# KiCad board OSO-BOOK-B1.kicad_pcb
title: Open Book Abridged Edition; date: 2022-11-08; rev: 05; company: Oddly Specific Objects
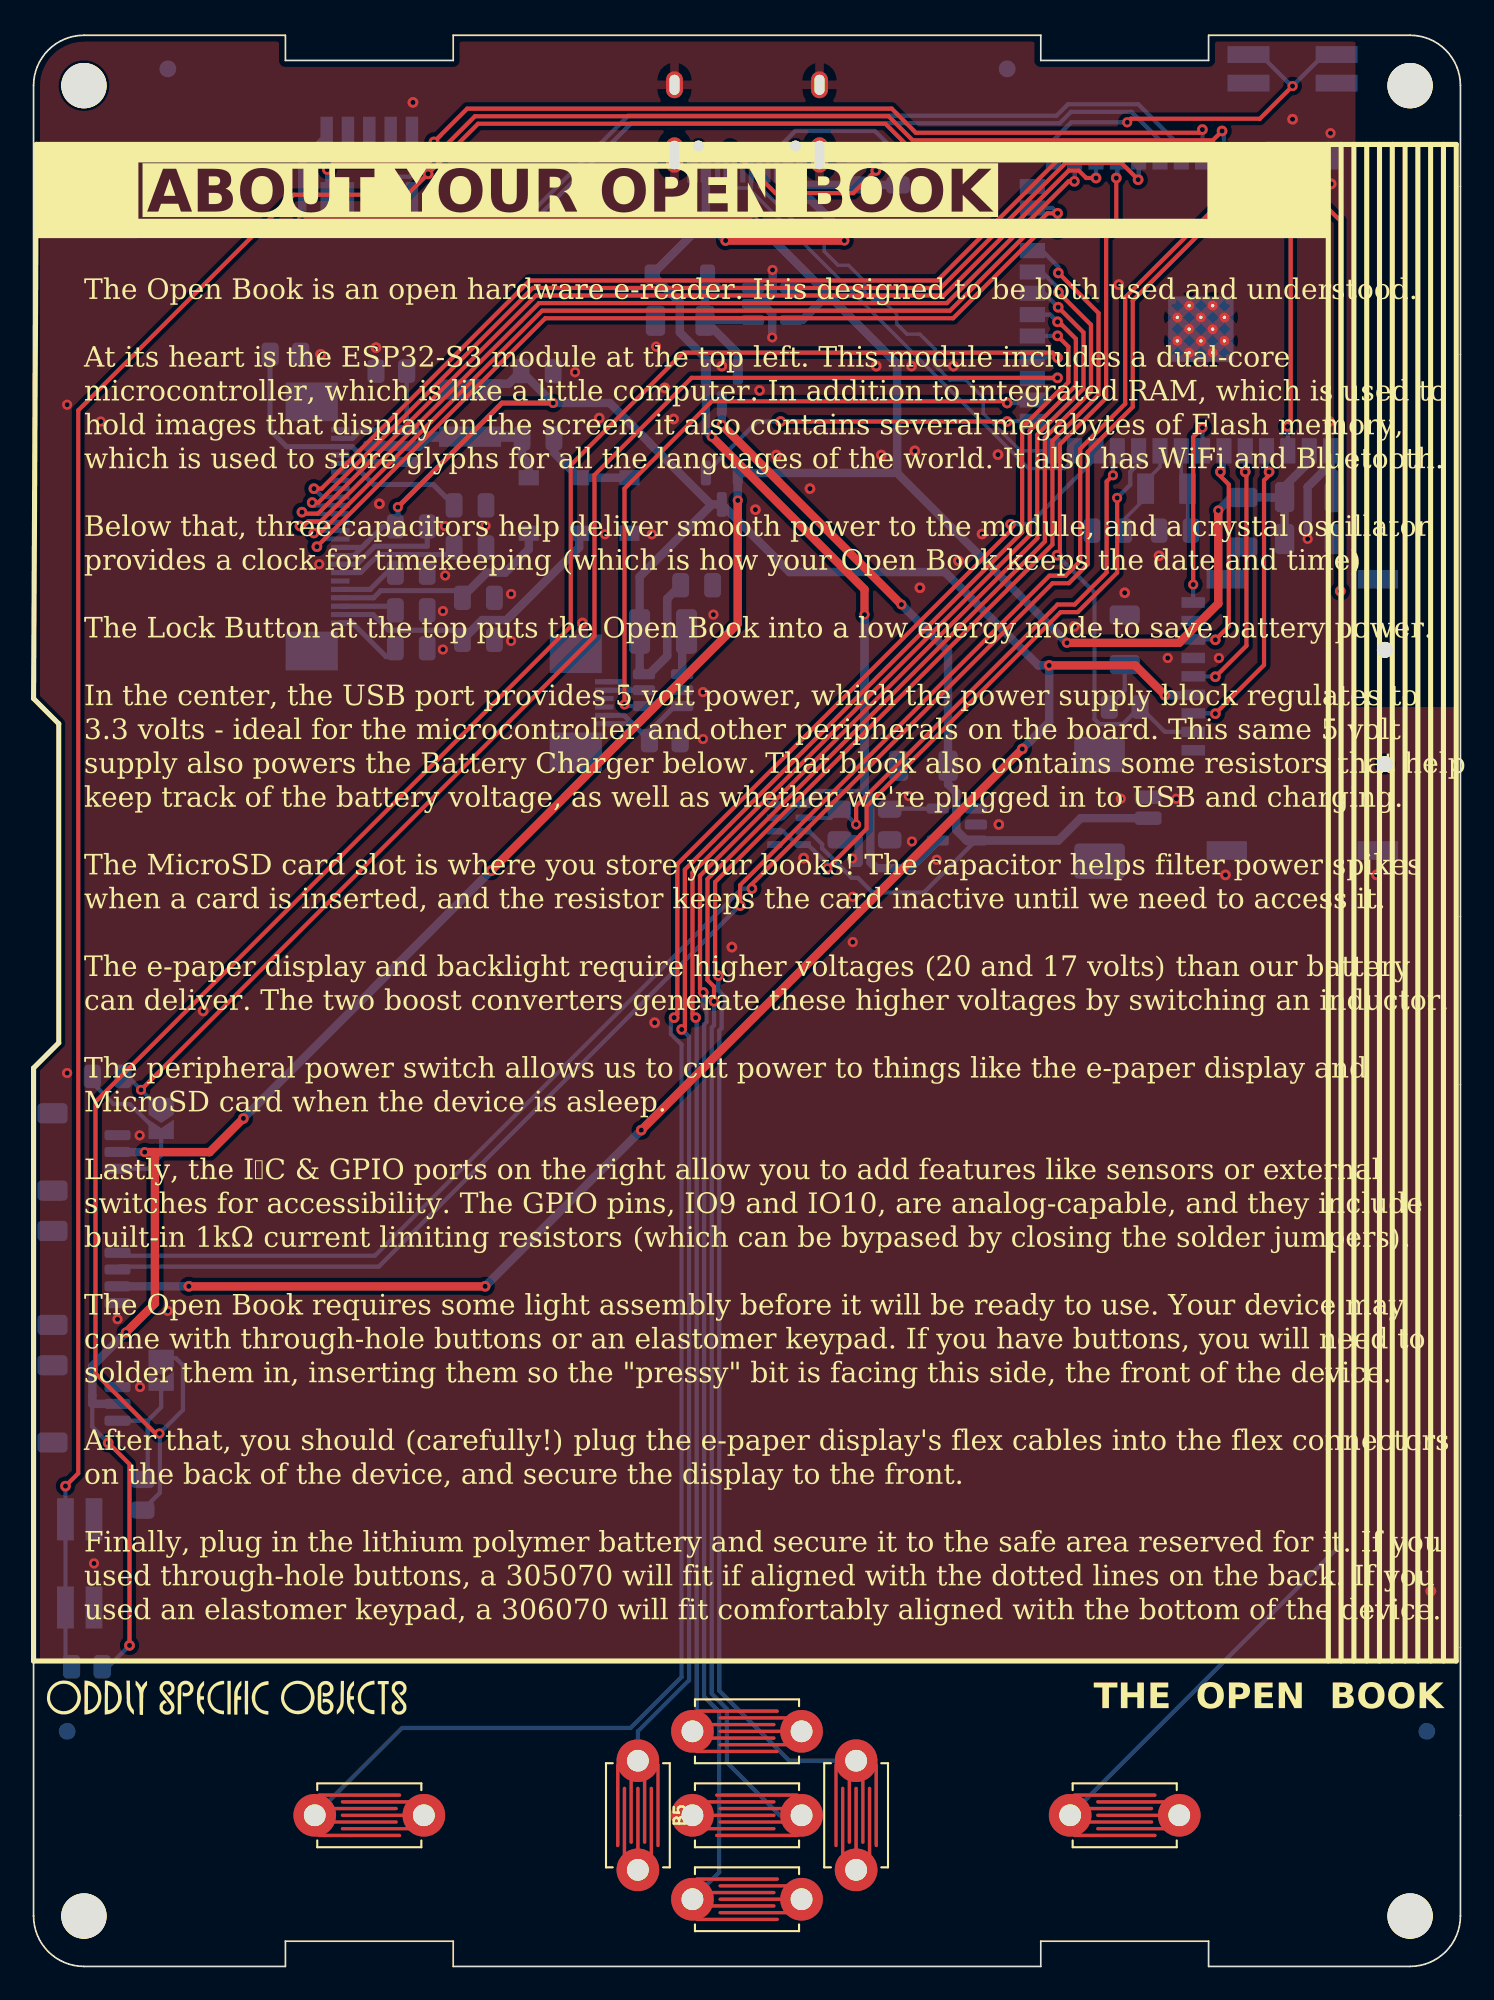
[diagram p0: board, top side]
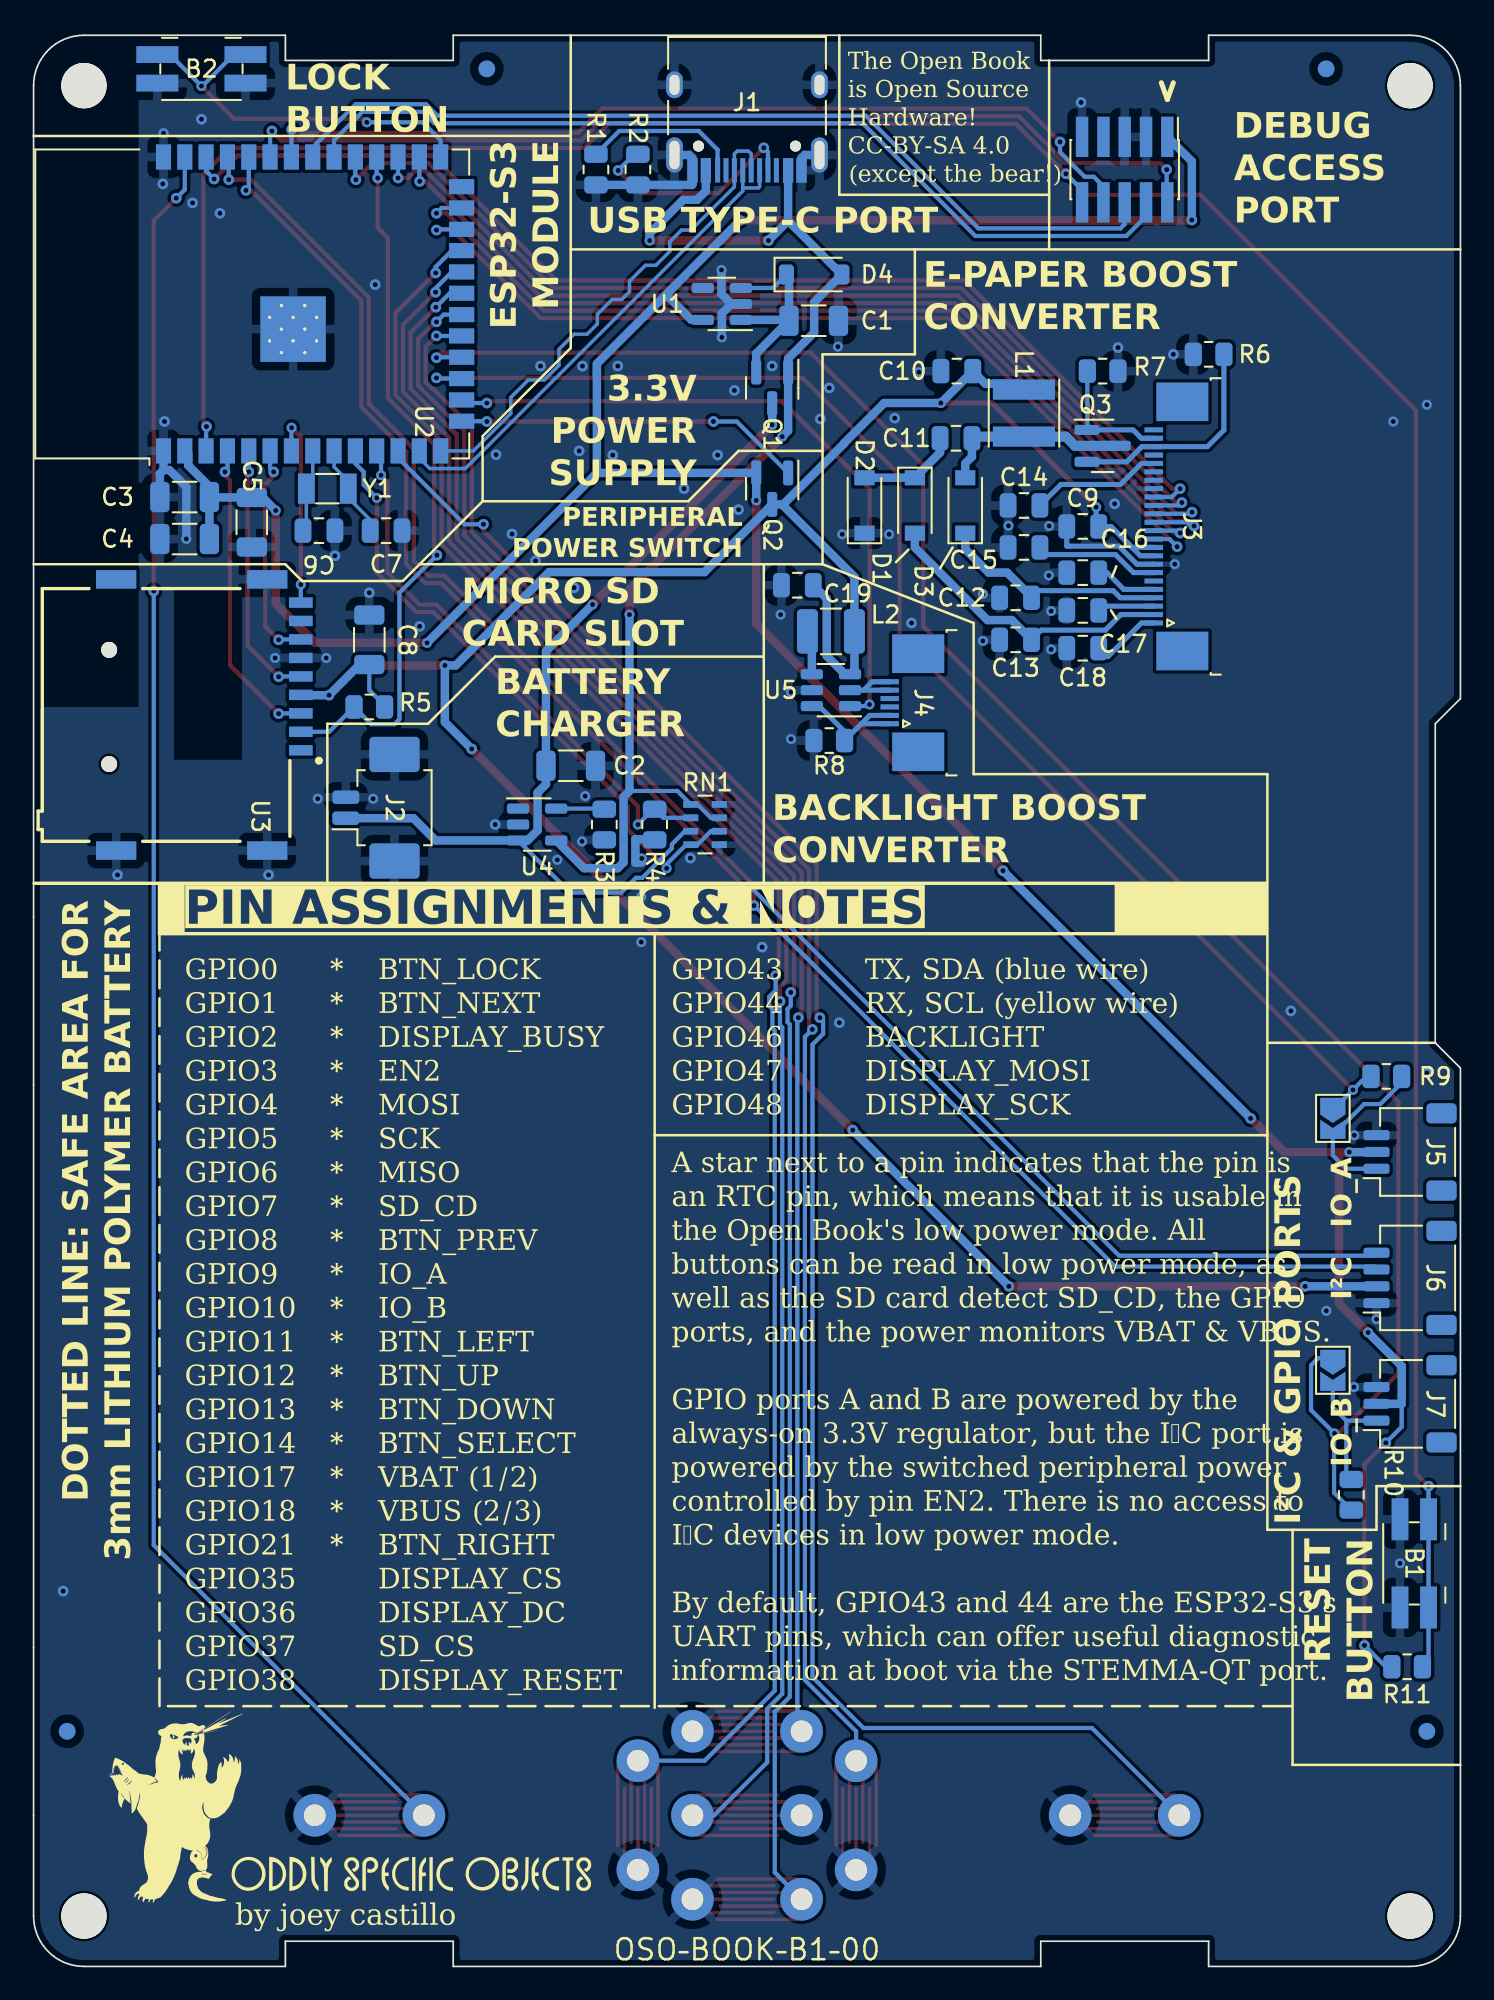
[diagram p1: board, bottom side, seen from below]

Outline 85 x 115 mm; copper layers: Top, Bottom. Coordinates in mm from the lower left corner of the outline.
Outline path: 0,112 arc(0.88,114.12) 3,115 15,115 15,113.5 25,113.5 25,115 60,115 60,113.5 70,113.5 70,115 82,115 arc(84.12,114.12) 85,112 85,3 arc(84.12,0.88) 82,0 70,0 70,1.5 60,1.5 60,0 25,0 25,1.5 15,1.5 15,0 3,0 arc(0.88,0.88) 0,3 0,53.5 1.5,55 1.5,74 0,75.5 0,112
Stack: Top 0.035mm / dielectric 0.91mm FR4 er 4.5 / Bottom 0.035mm

## Placement (name value [footprint] x y rotation side)
B1  SW_Push  [Panasonic_EVQPUJ_EVQPUA]  2.75 24 270 bottom
B2  SW_Push  [Panasonic_EVQPUJ_EVQPUA]  75 113 180 bottom
B3  SW_Push  [TACT_PANA-EVQ-BUTTONPAD]  20 9 0 top
B4  SW_Push  [TACT_PANA-EVQ-BUTTONPAD]  65 9 0 top
B5  SW_Push  [TACT_PANA-EVQ-BUTTONPAD]  36 9 270 top
B6  SW_Push  [TACT_PANA-EVQ-BUTTONPAD]  42.5 14 0 top
B7  SW_Push  [TACT_PANA-EVQ-BUTTONPAD]  42.5 9 180 top
B8  SW_Push  [TACT_PANA-EVQ-BUTTONPAD]  42.5 4 0 top
B9  SW_Push  [TACT_PANA-EVQ-BUTTONPAD]  49 9 270 top
C1  10µF  [C_1206_3216Metric]  38.52 98 180 bottom
C2  10µF  [C_1206_3216Metric]  53 71.5 180 bottom
C3  10µF  [C_1206_3216Metric]  76 87.5 0 bottom
C4  10µF  [C_1206_3216Metric]  76 85 0 bottom
C5  10µF  [C_1206_3216Metric]  72 86 270 bottom
C6  TBD  [C_0805_2012Metric]  68 85.5 180 bottom
C7  TBD  [C_0805_2012Metric]  64 85.5 180 bottom
C8  10µF  [C_1206_3216Metric]  65 79 270 bottom
C9  1µF  [C_0805_2012Metric]  22.5 85.75 180 bottom
C10  4.7µF  [C_0805_2012Metric]  30 95 0 bottom
C11  4.7µF  [C_0805_2012Metric]  30.05 91 180 bottom
C12  1µF  [C_0805_2012Metric]  26.5 81.5 0 bottom
C13  1µF  [C_0805_2012Metric]  26.5 79 0 bottom
C14  1µF  [C_0805_2012Metric]  26 87 180 bottom
C15  1µF  [C_0805_2012Metric]  26 84.5 180 bottom
C16  1µF  [C_0805_2012Metric]  22.5 83 180 bottom
C17  1µF  [C_0805_2012Metric]  22.5 80.75 180 bottom
C18  1µF  [C_0805_2012Metric]  22.5 78.5 180 bottom
C19  1µF  [C_0805_2012Metric]  39.5 82.25 180 bottom
D1  MBR0530  [D_SOD-123]  32.5 87 270 bottom
D2  MBR0530  [D_SOD-123]  35.5 87 90 bottom
D3  MBR0530  [D_SOD-123]  29.5 87 90 bottom
D4  MBR120  [D_SOD-123#2]  38.5 100.75 180 bottom
FID1  Fiducial  [Fiducial_1mm_Mask2mm]  58 113 180 bottom
FID2  Fiducial  [Fiducial_1mm_Mask2mm]  8 113 180 bottom
FID3  Fiducial  [Fiducial_1mm_Mask2mm]  83 14 180 bottom
FID4  Fiducial  [Fiducial_1mm_Mask2mm]  2 14 180 bottom
G***  LOGO  [oso-logotype-2mm]  11.5 16 0 top
G***#2  LOGO  [oso-logotype-2mm]  62.5 5.5 180 bottom
G***#3  LOGO  [oso-bear-8mm-wide]  76.5 9.5 180 bottom
H1  MountingHole  [MountingHole_2.7mm_M2.5]  82 112 180 bottom
H2  MountingHole  [MountingHole_2.7mm_M2.5]  3 112 180 bottom
H3  MountingHole  [MountingHole_2.7mm_M2.5]  82 3 180 bottom
H4  MountingHole  [MountingHole_2.7mm_M2.5]  3 3 180 bottom
J1  USB_C_Receptacle_USB2.0  [USB_C_Receptacle_HRO_TYPE-C-31-M-12]  42.5 111 0 bottom
J2  Conn_01x02_MountingPin  [Molex_PicoBlade_53261-0271_1x02-1MP_P1.25mm_Horizontal]  64 69 90 bottom
J3  Conn_01x24  [TE_2-1734839-4_1x24-1MP_P0.5mm_Horizontal]  16.92 85.75 90 bottom
J4  Conn_01x06  [TE_0-1734839-6_1x06-1MP_P0.5mm_Horizontal]  32.65 75.25 90 bottom
J5  JST-PH3  [JST_SH_SM03B-SRSS-TB_1x03-1MP_P1.00mm_Horizontal]  3 48.5 90 bottom
J6  JST-PH4  [JST_SH_SM04B-SRSS-TB_1x04-1MP_P1.00mm_Horizontal]  3 41 90 bottom
J7  JST-PH3  [JST_SH_SM03B-SRSS-TB_1x03-1MP_P1.00mm_Horizontal]  3 33.5 90 bottom
J8  Conn_ARM_JTAG_SWD_10  [PinHeader_2x05_P1.27mm_Vertical_SMD]  20 107 270 bottom
JP1  Jumper_2_Open  [SolderJumper-2_P1.3mm_Open_TrianglePad1.0x1.5mm]  7.6 50.5 270 bottom
JP2  Jumper_2_Open  [SolderJumper-2_P1.3mm_Open_TrianglePad1.0x1.5mm]  7.6 35.5 270 bottom
L1  10µH  [L_Taiyo-Yuden_MD-4040]  26 92.5 270 bottom
L2  22µH  [L_1210_3225Metric]  37.5 79.5 0 bottom
Q1  DMG3415  [SOT-23]  41 94 270 bottom
Q2  Q_PMOS_GSD  [SOT-23]  41 88 270 bottom
Q3  Q_NMOS_GSD  [SOT-23]  21.31 90.55 180 bottom
R1  5.1k  [R_0805_2012Metric]  51.5 107 270 bottom
R2  5.1k  [R_0805_2012Metric]  49 107 270 bottom
R3  1k  [R_0805_2012Metric]  51 68 270 bottom
R4  200k  [R_0805_2012Metric]  48 68 90 bottom
R5  10K  [R_0805_2012Metric]  65 75 180 bottom
R6  0.47  [R_0805_2012Metric]  15 96 0 bottom
R7  1M  [R_0805_2012Metric]  21.31 95 180 bottom
R8  10  [R_0805_2012Metric]  37.6 73 180 bottom
R9  1k  [R_0805_2012Metric]  4.41 53 180 bottom
R10  1k  [R_0805_2012Metric]  6.5 28.09 90 bottom
R11  100K  [R_0805_2012Metric]  3.17 17.84 180 bottom
RN1  R_Pack04_Split  [R_Array_Concave_4x0603]  45 68 180 bottom
U1  XC6220B331MR-G  [SOT-23-5]  44 99 0 bottom
U2  -  [ESP32-S3-WROOM-1]  72 99 90 bottom
U3  MEM2075  [GCT_MEM2075-00-140-01-A]  80.5 75 270 bottom
U4  MCP73831-2-OT  [SOT-23-5]  55 68 180 bottom
U5  R1218  [SOT-23-6]  37.5 76 0 bottom
Y1  32.768 kHz  [Crystal_SMD_3215-2Pin_3.2x1.5mm]  67.5 88 0 bottom

## Library data of the parts
B1-B9 = -: Description: Push button switch, generic, two pins
C1-C19 = -: Description: Unpolarized capacitor
D1-D4 = -: Description: Schottky diode
FID1-FID4 = -: Description: Fiducial Marker
H1-H4 = -: Description: Mounting Hole without connection
J1 = -: Description: USB 2.0-only Type-C Receptacle connector
J2 = -: Description: Generic connectable mounting pin connector, single row, 01x02, script generated (kicad-library-utils/schlib/autogen/connector/)
J3 = -: Description: Generic connector, single row, 01x24, script generated (kicad-library-utils/schlib/autogen/connector/)
J4 = -: Description: Generic connector, single row, 01x06, script generated (kicad-library-utils/schlib/autogen/connector/)
J5 J7 = -: Description: Generic connector, single row, 01x03, script generated (kicad-library-utils/schlib/autogen/connector/)
J6 = -: Description: Generic connector, single row, 01x04, script generated (kicad-library-utils/schlib/autogen/connector/)
J8 = -: Description: Cortex Debug Connector, standard ARM Cortex-M SWD and JTAG interface
JP1 JP2 = -: Description: Jumper, 2-pole, open
L1 L2 = -: Description: Inductor
Q1 Q2 = -: Description: P-MOSFET transistor, gate/source/drain
Q3 = -: Description: N-MOSFET transistor, gate/source/drain
R1-R11 = -: Description: Resistor
RN1 = -: Description: 4 resistor network, parallel topology, split
U1 = -: Description: 600mA low dropout linear regulator, with enable pin, 3.8V-6V input voltage range, 3.3V fixed positive output, SOT-23-5
U2 = -: Description: 2.4 GHz WiFi (802.11 b/g/n) and Bluetooth ® 5 (LE) module Built around ESP32S3 series of SoCs, Xtensa ® dualcore 32bit LX7 microprocessor Flash up to 16 MB, PSRAM up to 8 MB 36 GPIOs, rich set of peripherals Onboard PCB antenna
U3 = -: MANUFACTURER: GCT; PARTREV: A; STANDARD: Manufacturer recommendations
U4 = -: Description: Single cell, Li-Ion/Li-Po charge management controller, 4.20V, Tri-State Status Output, in SOT23-5 package
Y1 = -: Description: Two pin crystal

## Footprints (pads in the part's own frame, mm; a bottom-side part is the same pattern mirrored in y, then rotated)
C_0805_2012Metric
  rrect 1x1.45 smd: 1(-0.95,0) 2(0.95,0)
C_1206_3216Metric
  rrect 1.15x1.8 smd: 1(-1.475,0) 2(1.475,0)
Crystal_SMD_3215-2Pin_3.2x1.5mm
  rect 1x1.8 smd: 1(1.25,0) 2(-1.25,0)
D_SOD-123
  rect 0.9x1.2 smd: 1(-1.65,0) 2(1.65,0)
D_SOD-123#2
  rrect 0.9x1.2 smd: 1(-1.65,0) 2(1.65,0)
ESP32-S3-WROOM-1
  rect 0.9x0.9 smd: (-2.9,-3.86) (-2.9,-2.46) (-2.9,-1.06) (-1.5,-3.86) (-1.5,-2.46) (-1.5,-1.06) (-0.1,-3.86) (-0.1,-2.46) (-0.1,-1.06)
  rect 1.5x0.9 smd: 1(-8.75,5.26) 2(-8.75,3.99) 3(-8.75,2.72) 4(-8.75,1.45) 5(-8.75,0.18) 6(-8.75,-1.09) 7(-8.75,-2.36) 8(-8.75,-3.63) 9(-8.75,-4.9) 10(-8.75,-6.17) 11(-8.75,-7.44) 12(-8.75,-8.71) 13(-8.75,-9.98) 14(-8.75,-11.25) 27(8.75,-11.25) 28(8.75,-9.98) 29(8.75,-8.71) 30(8.75,-7.44) 31(8.75,-6.17) 32(8.75,-4.9) 33(8.75,-3.63) 34(8.75,-2.36) 35(8.75,-1.09) 36(8.75,0.18) 37(8.75,1.45) 38(8.75,2.72) 39(8.75,3.99) 40(8.75,5.26)
  rect 0.9x1.5 smd: 15(-6.985,-12.5) 16(-5.715,-12.5) 17(-4.445,-12.5) 18(-3.175,-12.5) 19(-1.905,-12.5) 20(-0.635,-12.5) 21(0.635,-12.5) 22(1.905,-12.5) 23(3.175,-12.5) 24(4.445,-12.5) 25(5.715,-12.5) 26(6.985,-12.5)
  round 0.6 hole 0.2: 41(-2.9,-3.16) 41(-2.9,-1.76) 41(-2.2,-3.86) 41(-2.2,-2.46) 41(-2.2,-1.06) 41(-1.5,-3.16) 41(-1.5,-1.76) 41(-0.8,-3.86) 41(-0.8,-2.46) 41(-0.8,-1.06) 41(-0.1,-3.16) 41(-0.1,-1.76)
  rect 3.9x3.9 smd: 41(-1.5,-2.46)
Fiducial_1mm_Mask2mm
  round 1 smd: (0,0)
GCT_MEM2075-00-140-01-A
  round 0.95 hole 0.95 unplated: (-3.4,0) (3.4,0)
  rect 0.62x1.4 smd: P1(2.58,11.42) P2(1.48,11.42) P3(0.38,11.42) P4(-0.72,11.42) P5(-1.82,11.42) P6(-2.92,11.42) P7(-4.02,11.42) P8(-5.12,11.42) P9(-6.22,11.42)
  rect 1.1x2.4 smd: SH1(-7.6,0.42) SH2(-7.6,9.42) SH3(8.55,9.42) SH4(8.55,0.42)
JST_SH_SM03B-SRSS-TB_1x03-1MP_P1.00mm_Horizontal
  rrect 0.6x1.55 smd: 1(-1,2) 2(0,2) 3(1,2)
  rrect 1.2x1.8 smd: MP(-2.3,-1.875) MP(2.3,-1.875)
JST_SH_SM04B-SRSS-TB_1x04-1MP_P1.00mm_Horizontal
  rrect 0.6x1.55 smd: 1(-1.5,2) 2(-0.5,2) 3(0.5,2) 4(1.5,2)
  rrect 1.2x1.8 smd: MP(-2.8,-1.875) MP(2.8,-1.875)
L_1210_3225Metric
  rrect 1.25x2.65 smd: 1(-1.4,0) 2(1.4,0)
L_Taiyo-Yuden_MD-4040
  rect 1.2x3.7 smd: 1(-1.4,0) 2(1.4,0)
Molex_PicoBlade_53261-0271_1x02-1MP_P1.25mm_Horizontal
  rrect 0.8x1.6 smd: 1(-0.625,2.4) 2(0.625,2.4)
  rrect 2.1x3 smd: MP(-3.175,-0.5) MP(3.175,-0.5)
MountingHole_2.7mm_M2.5
  round 2.7 hole 2.7 unplated: (0,0)
Panasonic_EVQPUJ_EVQPUA
  rect 2.5x1 smd: 1(-2.625,0.85) 1(2.625,0.85) 2(-2.625,-0.85) 2(2.625,-0.85)
PinHeader_2x05_P1.27mm_Vertical_SMD
  rect 2.4x0.74 smd: 1(-1.95,2.54) 2(1.95,2.54) 3(-1.95,1.27) 4(1.95,1.27) 5(-1.95,0) 6(1.95,0) 7(-1.95,-1.27) 8(1.95,-1.27) 9(-1.95,-2.54) 10(1.95,-2.54)
R_0805_2012Metric
  rrect 1.025x1.4 smd: 1(-0.912,0) 2(0.912,0)
R_Array_Concave_4x0603
  rect 0.9x0.4 smd: 1(-0.85,1.2) 2(-0.85,0.4) 3(-0.85,-0.4) 4(-0.85,-1.2) 5(0.85,-1.2) 6(0.85,-0.4) 7(0.85,0.4) 8(0.85,1.2)
SolderJumper-2_P1.3mm_Open_TrianglePad1.0x1.5mm
  custom 1.5x1.5 smd: 1(-0.725,0)
  custom 1.15x1.5 smd: 2(0.725,0)
SOT-23
  rrect 1.475x0.6 smd: 1(-0.938,0.95) 2(-0.938,-0.95) 3(0.938,0)
SOT-23-5
  rrect 1.325x0.6 smd: 1(-1.137,0.95) 2(-1.137,0) 3(-1.137,-0.95) 4(1.137,-0.95) 5(1.137,0.95)
SOT-23-6
  rrect 1.325x0.6 smd: 1(-1.137,0.95) 2(-1.137,0) 3(-1.137,-0.95) 4(1.137,-0.95) 5(1.137,0) 6(1.137,0.95)
TACT_PANA-EVQ-BUTTONPAD
  round 2.54 hole 1.3: 1(-3.25,0) 2(3.25,0)
  rrect 5x0.2 smd: 1(-0.8,0.4) 1(-0.8,-0.4) 1(-0.6,1.2) 1(-0.6,-1.2) 2(0.8,0.8) 2(0.8,0) 2(0.8,-0.8)
TE_0-1734839-6_1x06-1MP_P0.5mm_Horizontal
  rect 0.3x1.1 smd: 1(-1.25,1.35) 2(-0.75,1.35) 3(-0.25,1.35) 4(0.25,1.35) 5(0.75,1.35) 6(1.25,1.35)
  rect 2.3x3.1 smd: MP(-2.92,-0.35) MP(2.92,-0.35)
TE_2-1734839-4_1x24-1MP_P0.5mm_Horizontal
  rect 0.3x1.1 smd: 1(-5.75,1.35) 2(-5.25,1.35) 3(-4.75,1.35) 4(-4.25,1.35) 5(-3.75,1.35) 6(-3.25,1.35) 7(-2.75,1.35) 8(-2.25,1.35) 9(-1.75,1.35) 10(-1.25,1.35) 11(-0.75,1.35) 12(-0.25,1.35) 13(0.25,1.35) 14(0.75,1.35) 15(1.25,1.35) 16(1.75,1.35) 17(2.25,1.35) 18(2.75,1.35) 19(3.25,1.35) 20(3.75,1.35) 21(4.25,1.35) 22(4.75,1.35) 23(5.25,1.35) 24(5.75,1.35)
  rect 2.3x3.1 smd: MP(-7.42,-0.35) MP(7.42,-0.35)
USB_C_Receptacle_HRO_TYPE-C-31-M-12
  round 0.65 hole 0.65 unplated: (-2.89,2.6) (2.89,2.6)
  rect 0.6x1.45 smd: A1(-3.25,4.045) A4(-2.45,4.045) A9(2.45,4.045) A12(3.25,4.045) B1(3.25,4.045) B4(2.45,4.045) B9(-2.45,4.045) B12(-3.25,4.045)
  rect 0.3x1.45 smd: A5(-1.25,4.045) A6(-0.25,4.045) A7(0.25,4.045) A8(1.25,4.045) B5(1.75,4.045) B6(0.75,4.045) B7(-0.75,4.045) B8(-1.75,4.045)
  oval 1x1.6 hole 0.6x1.2: S1(-4.32,-1.05) S1(4.32,-1.05)
  oval 1x2.1 hole 0.6x1.7: S1(-4.32,3.13) S1(4.32,3.13)

## Nets
+3.3VP: C8.2 C9.2 C10.1 C19.2 J3.9 J3.10 J6.2 L1.1 L2.1 Q2.3 R5.2 U3.P4 U5.3
+3V3: C3.1 C4.1 C5.1 J5.2 J7.2 J8.1 Q2.2 R11.1 U1.5 U2.2
+4V: C2.1 J2.1 Q1.3 RN1.3 U4.3
+5V: D4.2 J1.A4 J1.A9 J1.B4 J1.B9 Q1.1 RN1.1 RN1.7 U4.4
/+17V: J4.5 J4.6 U5.2
/VDD: C15.2 J3.7
GND: B1.2 B2.2 B3.2 B4.2 B5.2 B6.2 B7.2 B8.2 B9.2 C1.2 C2.2 C3.2 C4.2 C5.2 C6.2 C7.2 C8.1 C9.1 C10.2 C12.2 C13.2 C14.1 C15.1 C16.1 C17.1 C18.1 C19.1 D2.1 J1.A1 J1.A12 J1.B1 J1.B12 J1.S1 J2.2 J2.MP J3.8 J3.17 J5.3 J6.1 J7.3 J8.3 J8.5 J8.9 R1.2 R2.2 R3.2 R4.1 R6.2 R7.2 R8.1 RN1.5 RN1.8 U1.2 U2.1 U2.40 U2.41 U3.P6 U3.SH2 U3.SH3 U3.SH4 U4.2 U5.5
VCC: C1.1 D4.1 Q1.2 U1.1 U1.3
/_GPA: J5.1 JP1.2 R9.2
/_GPB: J7.1 JP2.2 R10.2
/BACKLIGHT: U2.16 U5.1
/BATMON: RN1.4 RN1.6 U2.10
/BTN_DOWN: B8.1 U2.21
/BTN_LEFT: B5.1 U2.19
/BTN_LOCK: B2.1 U2.27
/BTN_NEXT: B4.1 U2.39
/BTN_PREV: B3.1 U2.12
/BTN_RIGHT: B9.1 U2.23
/BTN_SEL: B7.1 U2.22
/BTN_UP: B6.1 U2.20
/BUSMON: R4.2 RN1.2 U2.11
/CC1: J1.A5 R2.1
/CC2: J1.B5 R1.1
/DISPLAY_BUSY: J3.16 U2.38
/DISPLAY_CS: J3.13 U2.28
/DISPLAY_DC: J3.14 U2.29
/DISPLAY_MOSI: J3.11 U2.24
/DISPLAY_RESET: J3.15 U2.31
/DISPLAY_SCK: J3.12 U2.25
/FEEDBACK: J4.1 J4.2 R8.2 U5.6
/GDR: J3.23 Q3.1 R7.1
/GPIO_A: JP1.1 R9.1 U2.17
/GPIO_B: JP2.1 R10.1 U2.18
/MISO: U2.6 U3.P7
/MOSI: U2.4 U3.P3
/MTCK: J8.4 U2.32
/MTDI: J8.8 U2.34
/MTDO: J8.6 U2.33
/MTMS: J8.2 U2.35
/PREVGH: C12.1 D3.1 J3.4
/PREVGL: C13.1 D1.2 J3.2
/PROG: R3.1 U4.5
/RESE: J3.22 Q3.2 R6.1
/RX/SCL: J6.4 U2.36
/SCK: U2.5 U3.P5
/SD_CD: U2.7 U3.P9
/SD_CS: R5.1 U2.30 U3.P2
/STAT: U4.1
/SWITCHY: C11.2 D3.2 L1.2 Q3.3
/TX/SDA: J6.3 U2.37
/USB+: J1.A6 J1.B6 U2.14
/USB-: J1.A7 J1.B7 U2.13
/VCOM: C18.2 J3.1
/VSH1: C16.2 J3.5
/VSH2: C14.2 J3.20
/VSL: C17.2 J3.3
/XTAL_32K_N: C7.1 U2.9 Y1.2
/XTAL_32K_P: C6.1 U2.8 Y1.1
/~{EN2}: Q2.1 U2.15
/~{RESET}: B1.1 J8.10 R11.2 U2.3
Net-(D1-K): C11.1 D1.1 D2.2
Net-(U5-LX): L2.2 U5.4

Pads without a net: J1 A8 B8; J3 6 18 19 21 24 MP; J4 3 4 MP; J5 MP; J6 MP; J7 MP; J8 7; U1 4; U2 26; U3 P1 P8 SH1

## Via types
v1: diameter 0.635, hole 0.305, Top to Bottom, 103 vias
v2: diameter 0.6, hole 0.3, Top to Bottom, 61 vias

## Routing (per net, layer and track width the routed paths; a pad name or vN(x,y) marks a point on that pad's centre or on a via; arc(x,y) is an arc through that point)
+3.3VP: length 167.6
  Top w0.3: v2(21.7,86.9) 27.9,93.1 v2(30.95,93.1)
  Top w0.5: v1(60.5,77.47) 65.62,77.47 v1(67.4,75.7) ; v1(26.9,40.5) v1(9.25,40.5) ; v1(36.2,49.8) v1(58.9,72.5)
  Bottom w0.25: C8.2 65,76 64.09,75.09 R5.2
  Bottom w0.3: v2(21.7,86.9) 21.7,85.9 C9.2 20.81,85.75 19.91,84.84 ; 19.91,84.84 19.56,84.5 J3.10 ; 19.91,84.84 19.06,84 J3.9
  Bottom w0.5: U3.P4 69.06,75.7 v1(67.4,75.7) 65.58,77.53 C8.2 ; 40.41,87.06 36.1,82.75 L2.1 36.1,77.21 U5.3 36.66,76.95 37.75,78.04 37.75,81.45 C19.2 ; 40.41,87.06 40.34,87.06 36.73,90.68 36.73,90.7 34.33,93.1 v2(30.95,93.1) C10.1 28.3,94.25 26.35,94.25 L1.1 ; 40.41,87.06 Q2.3 45.03,83.03 54.29,83.03 59.85,77.47 v1(60.5,77.47) 60.5,74.1 v1(58.9,72.5) ; v1(36.2,49.8) v1(26.9,40.5) ; v1(9.25,40.5) J6.2
+3V3: length 199.8
  Top w0.25: v1(4.45,31.18) 5.71,29.91 v1(5.71,19.11)
  Top w0.5: v1(27.25,65.25) 41.95,79.95 v2(41.95,87.3) ; v1(16,104) 16.02,103.98 v2(42.9,103.98) ; v2(5.5,37.75) 7.23,39.48 7.23,48.49 7.23,48.49 v2(6.62,48.49) 10.49,48.49 v1(12.5,50.5) ; v2(70.58,86.7) 70.58,81.16 68.24,78.82 v2(61.56,78.82)
  Bottom w0.25: 3.5,33.5 3.5,32.12 v1(4.45,31.18) ; v1(5.71,19.11) 4.45,17.84 R11.1
  Bottom w0.5: U1.5 45.81,98.05 47.32,99.56 46.69,100.19 ; v1(16,104) 16,107.49 J8.1 ; 46.69,100.19 v2(42.9,103.98) ; 46.69,100.19 51.44,95.44 51.44,94.75 ; U2.2 75.79,90.05 75.79,89.39 74.53,88.12 C3.1 ; J5.2 5.01,48.49 v2(6.62,48.49) ; 51.44,95.31 51.44,94.75 ; 51.44,94.75 51.44,88.94 ; C3.1 C4.1 ; C3.1 74.5,87.47 C5.1 71.35,87.47 v2(70.58,86.7) ; v2(61.56,78.82) 51.44,88.94 ; 51.44,88.94 Q2.2 v2(41.95,87.3) ; J7.2 3.5,33.5 3.5,35.75 v2(5.5,37.75) ; v1(12.5,50.5) v1(27.25,65.25)
+4V: length 56.6
  Top w0.5: v2(41,91.8) v2(51.7,81.1)
  Bottom w0.25: RN1.3 46.2,67.6 46.98,66.83 46.98,66.59 48.74,64.83 49.11,64.83 49.98,63.95 53.04,63.95 U4.3
  Bottom w0.5: Q1.3 v2(41,91.8) ; v2(51.7,81.1) 54.48,78.33 C2.1 54.48,70.4 54.98,69.9 54.98,67.65 55.58,67.05 U4.3 61.05,67.05 62.38,68.38 J2.1
+5V: length 73.6
  Top w0.5: v2(48.3,102.78) v1(41.22,102.78) ; v2(49.5,80.5) 49.5,82 v2(40.4,91.1)
  Bottom w0.25: 49.5,70 46.65,70 RN1.1 45.45,69.2 44.65,68.4 RN1.7
  Bottom w0.5: v2(40.4,91.1) 40.05,91.45 Q1.1 40.05,95.75 38.5,97.3 38.5,99.1 D4.2 40.05,103.95 ; 40.05,103.95 J1.A4 ; 40.05,103.95 v1(41.22,102.78) ; v2(49.5,80.5) 49.5,70 49.85,69.65 49.85,65.75 50.2,65.4 52.21,65.4 U4.4 ; J1.A9 44.95,105.73 45.48,105.2 46.3,105.2 48.3,103.2 v2(48.3,102.78)
/+17V: length 4.1
  Bottom w0.3: J4.5 35.55,76 ; 35.55,76 35.05,76.5 J4.6 ; 35.55,76 U5.2
/VDD: length 7.4
  Bottom w0.3: J3.7 19.48,83 20.55,84.08 24.62,84.08 C15.2
GND: length 33.1
  Bottom w0.3: J3.8 19.27,83.5 20.34,84.58 23.45,84.58 C9.1 23.25,85.55
  Bottom w0.5: U1.2 43.42,99 ; 43.42,99 44.02,99.6 v2(44.02,101.02) ; 43.42,99 44,98.42 v2(44,97.01) ; 77.26,89.11 77.48,88.89 77.47,88.89 C3.2 ; 77.26,89.11 U2.1 ; 77.26,89.11 76.91,89.11 75.9,88.1 v2(75.9,85.01) ; J1.S1 39.04,107.87 39.25,107.66 J1.A1 ; R1.2 R2.2 45.79,106.09 45.75,106.12 J1.A12 45.75,107.66 45.96,107.87 J1.S1 ; 48.77,65.72 49.15,65.72 49.15,67.12 49.15,67.12 48.03,67.12 R4.1
  vias: v1(10.1,56.9) v1(17.1,96) v1(20.4,96.4) v1(20.6,87.1) v1(22.6,111) v1(32.7,80) v1(33.7,92.2) v1(37,56.2) v1(37.6,94) v1(38.12,92.15) v1(41,95.3) v1(41.6,60.7) v1(43,86.75) v1(43.25,93.85) v1(44.25,90) v1(45.88,66) v1(46.25,88) v1(50.2,95.3) v1(50.5,90) v1(52.3,95.3) v1(52.5,90.25) v1(52.8,82.1) v1(54.8,95.3) v1(55.1,83.7) v1(56.5,85.3) v1(57.45,90.03) v1(57.5,68) v1(62,79.8) v1(64.65,100.15) v1(65,81.8) v1(67.05,84) v1(71,65) v1(73.9,104.4) v1(75,110) v1(75.53,105.02) v1(77.2,92) v1(77.3,106.15) v1(80,65) v1(83.24,22.35) v2(2,93) v2(2,53.2) v2(3.6,24) v2(4,92) v2(5,38.54) v2(6.32,49.49) v2(6.34,34.5) v2(7.99,39.04) v2(17.02,83.5) v2(24.38,80.71) v2(24.38,78.42) v2(24.5,85.78) v2(24.52,82.83) v2(26.92,85.79) v2(28.45,81.73) v2(28.45,78.93) v2(32.26,94.93) v2(34.04,85.28) v2(36.83,85.28) v2(37.08,96.46) v2(39.88,75.88) v2(39.88,73.09) v2(40.5,80.5) v2(48.77,65.98) v2(48.8,63.7) v2(48.8,61) v2(52.14,69.69) v2(52.32,66.99) v2(53.8,65.9) v2(64.77,69.53) v2(67.56,77.92) v2(68.07,69.53) v2(70.61,77.92) v2(77.26,109.17)
VCC: length 12.6
  Bottom w0.25: D4.1 40.95,99.95 U1.3
  Bottom w0.5: U1.1 40.05,98.05 C1.1 ; D4.1 40,100.6 C1.1 ; C1.1 41.95,96.05 Q1.2
/_GPA: length 10.1
  Bottom w0.25: R9.2 3.5,52.62 4.77,51.35 5.74,51.35 7.32,49.78 JP1.2 7.6,48.3 6.8,47.5 J5.1
/_GPB: length 8
  Bottom w0.25: 6.8,32.5 7.6,33.3 JP2.2 ; 6.8,32.5 6.8,29.3 R10.2 ; 6.8,32.5 J7.1
/BACKLIGHT: length 40.6
  Top w0.25: v1(58,93.1) 57.89,93.21 40.41,93.21 35.2,88 v2(35.2,75.15)
  Bottom w0.25: v1(58,93.1) 59.31,93.1 U2.16 ; U5.1 35.3,75.05 v2(35.2,75.15)
/BATMON: length 37.3
  Top w0.25: v2(47.29,65.39) 49.26,67.36 49.26,67.38 49.62,67.74 49.62,69.09 61.19,80.65 62.2,80.65 64.55,83 v2(64.55,87.45)
  Bottom w0.25: v2(47.29,65.39) 47.29,65.64 46.13,66.8 RN1.4 45.45,66.8 44.65,67.6 RN1.6 ; v2(64.55,87.45) 65.33,88.23 65.33,89 65.83,89.5 U2.10
/BTN_DOWN: length 108
  Top w0.25: v1(61.04,98.81) 62.54,97.3 62.54,93.96 59.79,91.21 59.79,85.04 39.7,64.95 39.7,58.19 v1(39.89,58)
  Bottom w0.25: B8.1 40.84,5.59 40.84,15.16 39.95,16.05 39.95,56.1 40.08,56.23 40.08,57.01 39.89,57.21 v1(39.89,58) ; U2.21 60.21,99.64 v1(61.04,98.81)
/BTN_LEFT: length 97.6
  Top w0.25: v1(61,97.1) 61.64,96.46 61.64,94.33 61.27,93.96 61.21,93.96 58.89,91.64 58.89,85.41 38.8,65.32 38.8,55.99 v1(38.61,55.8)
  Bottom w0.25: B5.1 36,14 39.05,17.05 39.05,55.36 v1(38.61,55.8) ; v1(61,97.1) 60.99,97.09 U2.19
/BTN_LOCK: length 23.4
  Top w0.25: v2(75,111.97) 73.05,110.03 65.36,110.03 v2(65.15,109.82)
  Bottom w0.25: v2(65.15,109.82) 61.82,109.82 60.75,108.75 U2.27 ; B2.1 76.88,113.85 v2(75,111.97) 74.95,111.97 73.08,113.85 B2.1
/BTN_NEXT: length 106.2
  Top w0.25: v1(77.84,81.9) 77.84,103.96 v1(76.5,105.3)
  Bottom w0.25: B4.1 77.84,25.09 v1(77.84,81.9) ; U2.39 75.99,105.81 v1(76.5,105.3)
/BTN_PREV: length 109.7
  Top w0.25: v1(58.2,85.88) 58.2,85.49 38.35,65.64 38.35,56.69 v1(38.16,56.5)
  Bottom w0.25: U2.12 63.29,89.84 59.33,85.88 v1(58.2,85.88) ; B3.1 21.95,14.2 35.56,14.2 38.6,17.24 38.6,54.9 37.97,55.53 37.97,56.31 v1(38.16,56.5)
/BTN_RIGHT: length 107.4
  Top w0.25: v1(40.79,59) 40.6,59.19 40.6,64.57 60.69,84.67 60.69,90.84 63.44,93.59 63.44,98.46 61.05,100.85 v1(61.05,100.85)
  Bottom w0.25: B9.1 45.02,12.25 40.85,16.42 40.85,55.73 40.99,55.86 40.99,57.01 41.18,57.2 41.18,57.2 41.18,57.74 40.79,58.12 v1(40.79,59) ; v1(61.05,100.85) 61.05,101.21 60.08,102.17 U2.23
/BTN_SEL: length 106.3
  Top w0.25: v1(61.05,99.7) 62.99,97.76 62.99,93.77 60.24,91.02 60.24,84.85 40.15,64.76 40.15,58.73 40.54,58.35 v1(40.54,57.47)
  Bottom w0.25: B7.1 44.45,9 41.29,12.16 41.29,15.34 40.4,16.24 40.4,55.91 40.54,56.05 v1(40.54,57.47) ; v1(61.05,99.7) 61.05,99.93 60.08,100.91 U2.22
/BTN_UP: length 95.8
  Top w0.25: v1(39.44,56.5) 39.25,56.69 39.25,65.13 59.34,85.23 59.34,91.46 59.97,92.08 60.03,92.08 62.09,94.15 62.09,96.92 61.27,97.74 61.19,97.74 v1(61,97.93)
  Bottom w0.25: v1(61,97.93) 60.57,98.36 U2.20 ; B6.1 39.5,14.25 39.5,56.44 v1(39.44,56.5)
/BUSMON: length 33
  Top w0.25: v2(49,68) 49,69.1 61,81.1 62.01,81.1 63.92,83.01 63.92,88.42 v2(64.3,88.8)
  Bottom w0.25: U2.11 64.3,89.99 v2(64.3,88.8) ; RN1.2 47.49,68.4 R4.2 48.09,68.91 v2(49,68)
/CC1: length 13.4
  Top w0.25: v1(50.18,106.95) 48.83,105.6 44.2,105.6 v1(41.5,108.3)
  Bottom w0.25: R2.1 49.22,107.91 v1(50.18,106.95) 50.18,106.99 ; J1.A5 41.25,108.05 v1(41.5,108.3)
/CC2: length 9.5
  Bottom w0.25: J1.B5 44.25,108.18 45.37,109.3 50.11,109.3 R1.1
/DISPLAY_BUSY: length 69.6
  Top w0.25: v1(74.25,106.44) 72.84,107.84 61.29,107.84 53.85,100.4 29.55,100.4 17.15,88 v1(16.7,88)
  Bottom w0.25: v1(74.25,106.44) 74.72,106.91 U2.38 ; J3.16 17.2,87.5 v1(16.7,88)
/DISPLAY_CS: length 58.6
  Top w0.25: v1(15.87,85.78) 16.08,85.78 16.35,86.05 17.11,86.05 30.11,99.05 54.41,99.05 61.66,106.3 v1(62,106.3)
  Bottom w0.25: J3.13 16.3,86 16.07,85.78 v1(15.87,85.78) ; U2.28 62.02,106.32 v1(62,106.3)
/DISPLAY_DC: length 59.6
  Top w0.25: v1(63.29,106.5) 62.71,106.5 62.27,106.94 61.66,106.94 54.22,99.5 29.92,99.5 16.94,86.51 16.08,86.51 v1(15.99,86.6)
  Bottom w0.25: v1(63.29,106.5) U2.29 ; v1(15.99,86.6) 16.09,86.5 J3.14
/DISPLAY_MOSI: length 55
  Top w0.25: v1(61,103.4) 60.03,103.4 54.78,98.15 30.48,98.15 v1(16.88,84.55)
  Bottom w0.25: U2.24 60.95,103.44 v1(61,103.4) ; J3.11 17.34,85 v1(16.88,84.55)
/DISPLAY_RESET: length 61.1
  Top w0.25: v1(16.6,87.17) 16.96,87.17 29.74,99.95 54.03,99.95 61.48,107.39 64.81,107.39 v1(65.8,106.4)
  Bottom w0.25: 65.85,107.73 U2.31 65.83,106.43 v1(65.8,106.4) ; v1(16.6,87.17) 16.77,87 J3.15
/DISPLAY_SCK: length 55.4
  Top w0.25: v1(16.7,85.36) 17.06,85.36 30.3,98.6 54.59,98.6 60.39,104.4 v1(61,104.4)
  Bottom w0.25: J3.12 16.84,85.5 v1(16.7,85.36) ; U2.25 60.69,104.72 v1(61,104.4)
/FEEDBACK: length 8.1
  Bottom w0.3: J4.1 35.69,74 ; 35.69,74 R8.2 36.69,73.54 38.2,75.05 U5.6 ; 35.69,74 35.19,74.5 J4.2
/GDR: length 7.9
  Bottom w0.25: Q3.1 22.23,91.53 22.23,95.25
  Bottom w0.3: J3.23 19,91 19.5,91.5 Q3.1
/GPIO_A: length 82.3
  Top w0.25: v2(6.4,52.2) 33.41,79.21 33.41,88.81 39.2,94.6 v1(61,94.6)
  Bottom w0.25: JP1.1 7.38,51.23 v2(6.4,52.2) 5.6,53 R9.1 ; v1(61,94.6) 60.95,94.56 U2.17
/GPIO_B: length 115.6
  Top w0.25: v2(7.5,31.74) 7.26,31.74 3.69,35.31 3.69,51.49 32,79.8 32,89.4 38.7,96.1 60.7,96.1 v1(61,95.8)
  Bottom w0.25: JP2.1 8.47,36.22 8.9,35.8 8.9,33.14 v2(7.5,31.74) 7.53,31.71 7.53,28.2 R10.1 ; U2.18 60.98,95.83 v1(61,95.8)
/MISO: length 13.2
  Top w0.25: v1(70.7,89) 70.7,88.75 71.2,88.25 71.2,79.8 v1(70.4,79)
  Bottom w0.25: U2.6 70.91,89.21 v1(70.7,89) ; U3.P7 70.38,79.02 v1(70.4,79)
/MOSI: length 18.4
  Top w0.25: v1(73.6,89) 73.6,88.8 73.3,88.5 73.3,77.5 v1(70.4,74.6)
  Bottom w0.25: v1(70.4,74.6) 70.38,74.62 U3.P3 ; U2.4 73.45,89.15 v1(73.6,89)
/MTCK: length 54.4
  Bottom w0.25: U2.32 67.1,108.75 65.41,110.44 61.81,110.44 61.12,109.76 35.61,109.76 28.9,103.05 19.9,103.05 18.73,104.22 J8.4
/MTDI: length 53.9
  Top w0.25: v1(23.85,108.65) 25.84,110.63 51.12,110.63 52.56,109.19 69.44,109.19 v1(69.63,109.38)
  Bottom w0.25: J8.8 21.27,106 21.84,106.58 22.39,106.58 23.85,108.04 v1(23.85,108.65) ; U2.34 69.64,109.37 v1(69.63,109.38)
/MTDO: length 54.5
  Bottom w0.25: J8.6 20,103.75 20.25,103.5 28.71,103.5 35.42,110.21 60.94,110.21 61.62,110.89 65.81,110.89 68.37,108.33 U2.33
/MTMS: length 59
  Top w0.25: v1(17.5,107) 17.89,107.39 23.51,107.39 26.29,110.18 50.93,110.18 52.37,108.74 70.24,108.74 v1(70.8,109.3)
  Bottom w0.25: v1(17.5,107) 17.5,105.09 J8.2 ; U2.35 70.91,109.19 v1(70.8,109.3)
/PREVGH: length 13.8
  Bottom w0.3: J3.4 20.26,81.5 20.68,81.92 25.12,81.92 C12.1
  Bottom w0.5: C12.1 25.55,81.55 27,83 28.1,83 29.5,84.4 D3.1
/PREVGL: length 18
  Bottom w0.3: J3.2 20.22,80.5 21.15,79.58 24.98,79.58 C13.1
  Bottom w0.5: D1.2 32.5,84.5 28.18,80.17 26.73,80.17 C13.1
/PROG: length 2.9
  Bottom w0.25: U4.5 51.04,68.95 R3.1
/RESE: length 14
  Bottom w0.3: 14.09,96.5 14.09,91.49 15.07,90.5 J3.22 18.98,90.5 19.88,89.6 Q3.2
/RX/SCL: length 103.6
  Top w0.25: v1(72.35,105.76) 72.04,105.76 65.48,99.2 65.48,92.87 62.8,90.19 62.8,83.5 61.67,82.37 60.71,82.37 42.73,64.39 42.73,64.24 v1(42.79,64.18)
  Bottom w0.25: J6.4 5.17,42.33 20.33,42.33 42.19,64.18 v1(42.79,64.18) ; U2.36 72.18,105.93 v1(72.35,105.76)
/SCK: length 15.6
  Top w0.25: v1(70.4,76.8) 72.25,78.65 72.25,88.93 v1(72.18,89)
  Bottom w0.25: v1(72.18,89) U2.5 ; U3.P5 70.38,76.82 v1(70.4,76.8)
/SD_CD: length 12
  Top w0.25: v2(69.08,82.29) 69.08,91.08 v2(69.63,91.63)
  Bottom w0.25: U2.7 69.64,91.62 v2(69.63,91.63) ; v2(69.08,82.29) U3.P9
/SD_CS: length 42.9
  Top w0.25: v1(60.97,84.04) 61.14,84.21 61.14,90.65 63.89,93.4 63.89,102.94 64.5,103.55 v1(64.5,106.5)
  Bottom w0.25: v1(60.97,84.04) 63.2,81.81 63.2,74.28 63.5,73.97 64.89,73.97 R5.1 67.39,73.52 U3.P2 ; U2.30 64.56,106.56 v1(64.5,106.5)
/SWITCHY: length 11.5
  Bottom w0.5: C11.2 29.1,89.9 29.5,89.5 D3.2
  Bottom w0.6: C11.2 29,91.1 L1.2 23.51,91.1 22.96,90.55 Q3.3
/TX/SDA: length 105
  Top w0.25: v1(73.37,106.4) 72.04,106.4 65.03,99.39 65.03,93.05 62.35,90.37 62.35,83.69 61.48,82.82 60.52,82.82 42.09,64.39 v1(42.09,63.17)
  Bottom w0.25: U2.37 73.37,107.67 v1(73.37,106.4) ; J6.3 5.18,41.68 20.57,41.68 42.06,63.17 v1(42.09,63.17)
/USB+: length 30.2
  Bottom w0.203: J1.A6 42.25,107.93 42.42,108.1 43.08,108.1 43.25,107.93 J1.B6 43.25,105.98 45.83,103.4 46.4,103.4 47.1,102.7 47.1,102.13 47.93,101.3 48.55,101.3 49.5,100.35 49.5,99.73 49.96,99.26 50.54,99.26 51.41,98.39 51.41,97.81 52.03,97.2 52.8,97.2 53.7,96.3 53.7,95.35 54.57,94.47 55.53,94.47 56.57,93.43 56.57,92.47 58.8,90.25 U2.14
/USB-: length 30
  Bottom w0.203: 42.75,105.91 41.82,105.91 41.75,105.98 J1.B7 ; 42.75,105.91 J1.A7 ; 42.75,105.91 42.75,105.73 59.28,89.2 61.4,89.2 62.02,89.82 U2.13
/VCOM: length 4.1
  Bottom w0.3: 21.55,78 21,78 19,80 J3.1
/VSH1: length 3.7
  Bottom w0.3: J3.5 20.05,82 21.05,83 C16.2
/VSH2: length 7.8
  Bottom w0.3: C14.2 23.8,88.25 20.25,88.25 19,89.5 J3.20
/VSL: length 3.4
  Bottom w0.3: J3.3 21.3,81 C17.2
/XTAL_32K_N: length 5.6
  Bottom w0.203: C7.1 64.95,86.15 66.25,87.45 Y1.2 66.25,88.45 67.1,89.3 U2.9
/XTAL_32K_P: length 5
  Bottom w0.203: U2.8 68.37,88.38 Y1.1 68.75,85.7 C6.1
/~{EN2}: length 20.7
  Top w0.25: v1(44.5,92) v1(58,92)
  Bottom w0.25: v1(44.5,92) 43.11,92 Q2.1 ; U2.15 58.02,92.02 v1(58,92)
/~{RESET}: length 174.5
  Top w0.25: v1(74.7,91.7) 74.89,91.89 74.89,106.71 73.31,108.29 52.18,108.29 50.75,109.73 26.48,109.73 v1(23.5,106.75) 22.25,105.5 15.5,105.5 2.66,92.66 2.66,29.36 v1(1.9,28.6)
  Bottom w0.25: v1(1.9,28.6) B1.1 B1.1 1.9,18.21 R11.2 ; U2.3 74.72,91.68 v1(74.7,91.7) ; J8.10 22.54,105.79 v1(23.5,106.75)
Net-(D1-K): length 6
  Bottom w0.5: C11.1 31,90.15 D1.1 D2.2
Net-(U5-LX): length 2.1
  Bottom w0.3: 38.64,78.92 38.56,79
  Bottom w0.5: U5.4 38.64,78.92

## Copper pours and planes (outline as drawn; the poured copper is in the pictures)
GND on Top: 84.84,18.2 0,18.2 0,115 85,115
GND on Bottom: 85,0 0,0 0,115 85,115

## Text on the board
B.Silkscreen: v | PERIPHERAL / POWER SWITCH | DEBUG / ACCESS / PORT | E-PAPER BOOST / CONVERTER | BACKLIGHT BOOST / CONVERTER | USB TYPE-C PORT | BATTERY / CHARGER | MICRO SD / CARD SLOT | LOCK / BUTTON | 3.3V / POWER / SUPPLY | I²C & GPIO PORTS | RESET / BUTTON | ESP32-S3 / MODULE | DOTTED LINE: SAFE AREA FOR / 3mm LITHIUM POLYMER BATTERY | PIN ASSIGNMENTS & NOTES | The Open Book / is Open Source / Hardware! / CC-BY-SA 4.0 / (except the bear!) | GPIO43		TX, SDA (blue wire) / GPIO44		RX, SCL (yellow wire) / GPIO46		BACKLIGHT / GPIO47		DISPLAY_MOSI / GPIO48		DISPLAY_SCK | A star next to a pin indicates that the pin is / an RTC pin, which means that it is usable in / the Open Book's low power mode. All / buttons can be read in low power mode, as / well as the SD card detect SD_CD, the GPIO / ports, and the power monitors VBAT & VBUS. / GPIO ports A and B are powered by the / always-on 3.3V regulator, but the I²C port is / powered by the switched peripheral power / controlled by pin EN2. There is no access to / I²C devices in low power mode. / By default, GPIO43 and 44 are the ESP32-S3's / UART pins, which can offer useful diagnostic / information at boot via the STEMMA-QT port. | GPIO0 	*	BTN_LOCK / GPIO1 	*	BTN_NEXT / GPIO2 	*	DISPLAY_BUSY / GPIO3 	*	EN2 / GPIO4 	*	MOSI / GPIO5 	*	SCK / GPIO6 	*	MISO / GPIO7 	*	SD_CD / GPIO8 	*	BTN_PREV / GPIO9 	*	IO_A / GPIO10	*	IO_B / GPIO11	*	BTN_LEFT / GPIO12	*	BTN_UP / GPIO13	*	BTN_DOWN / GPIO14	*	BTN_SELECT / GPIO17	*	VBAT (1/2) / GPIO18	*	VBUS (2/3) / GPIO21	*	BTN_RIGHT / GPIO35		DISPLAY_CS / GPIO36		DISPLAY_DC / GPIO37		SD_CS / GPIO38		DISPLAY_RESET | IO_A | IO_B | I²C | by joey castillo | OSO–BOOK–B1–00
F.Silkscreen: THE  OPEN  BOOK | ABOUT YOUR OPEN BOOK | The Open Book is an open hardware e-reader. It is designed to be both used and understood. / At its heart is the ESP32-S3 module at the top left. This module includes a dual-core / microcontroller, which is like a little computer. In addition to integrated RAM, which is used to / hold images that display on the screen, it also contains several megabytes of Flash memory, / which is used to store glyphs for all the languages of the world. It also has WiFi and Bluetooth. / Below that, three capacitors help deliver smooth power to the module, and a crystal oscillator / provides a clock for timekeeping (which is how your Open Book keeps the date and time). / The Lock Button at the top puts the Open Book into a low energy mode to save battery power. / In the center, the USB port provides 5 volt power, which the power supply block regulates to / 3.3 volts - ideal for the microcontroller and other peripherals on the board. This same 5 volt / supply also powers the Battery Charger below. That block also contains some resistors that help / keep track of the battery voltage, as well as whether we're plugged in to USB and charging. / The MicroSD card slot is where you store your books! The capacitor helps filter power spikes / when a card is inserted, and the resistor keeps the card inactive until we need to access it. / The e-paper display and backlight require higher voltages (20 and 17 volts) than our battery / can deliver. The two boost converters generate these higher voltages by switching an inductor. / The peripheral power switch allows us to cut power to things like the e-paper display and / MicroSD card when the device is asleep. / Lastly, the I²C & GPIO ports on the right allow you to add features like sensors or external / switches for accessibility. The GPIO pins, IO9 and IO10, are analog-capable, and they include / built-in 1kΩ current limiting resistors (which can be bypased by closing the solder jumpers). / The Open Book requires some light assembly before it will be ready to use. Your device may / come with through-hole buttons or an elastomer keypad. If you have buttons, you will need to / solder them in, inserting them so the {dblquote}pressy{dblquote} bit is facing this side, the front of the device. / After that, you should (carefully!) plug the e-paper display's flex cables into the flex connectors / on the back of the device, and secure the display to the front. / Finally, plug in the lithium polymer battery and secure it to the safe area reserved for it. If you / used through-hole buttons, a 305070 will fit if aligned with the dotted lines on the back. If you / used an elastomer keypad, a 306070 will fit comfortably aligned with the bottom of the device.
